# Altium PCB ESC_1.PcbDoc (part 1 of 2) (continued)
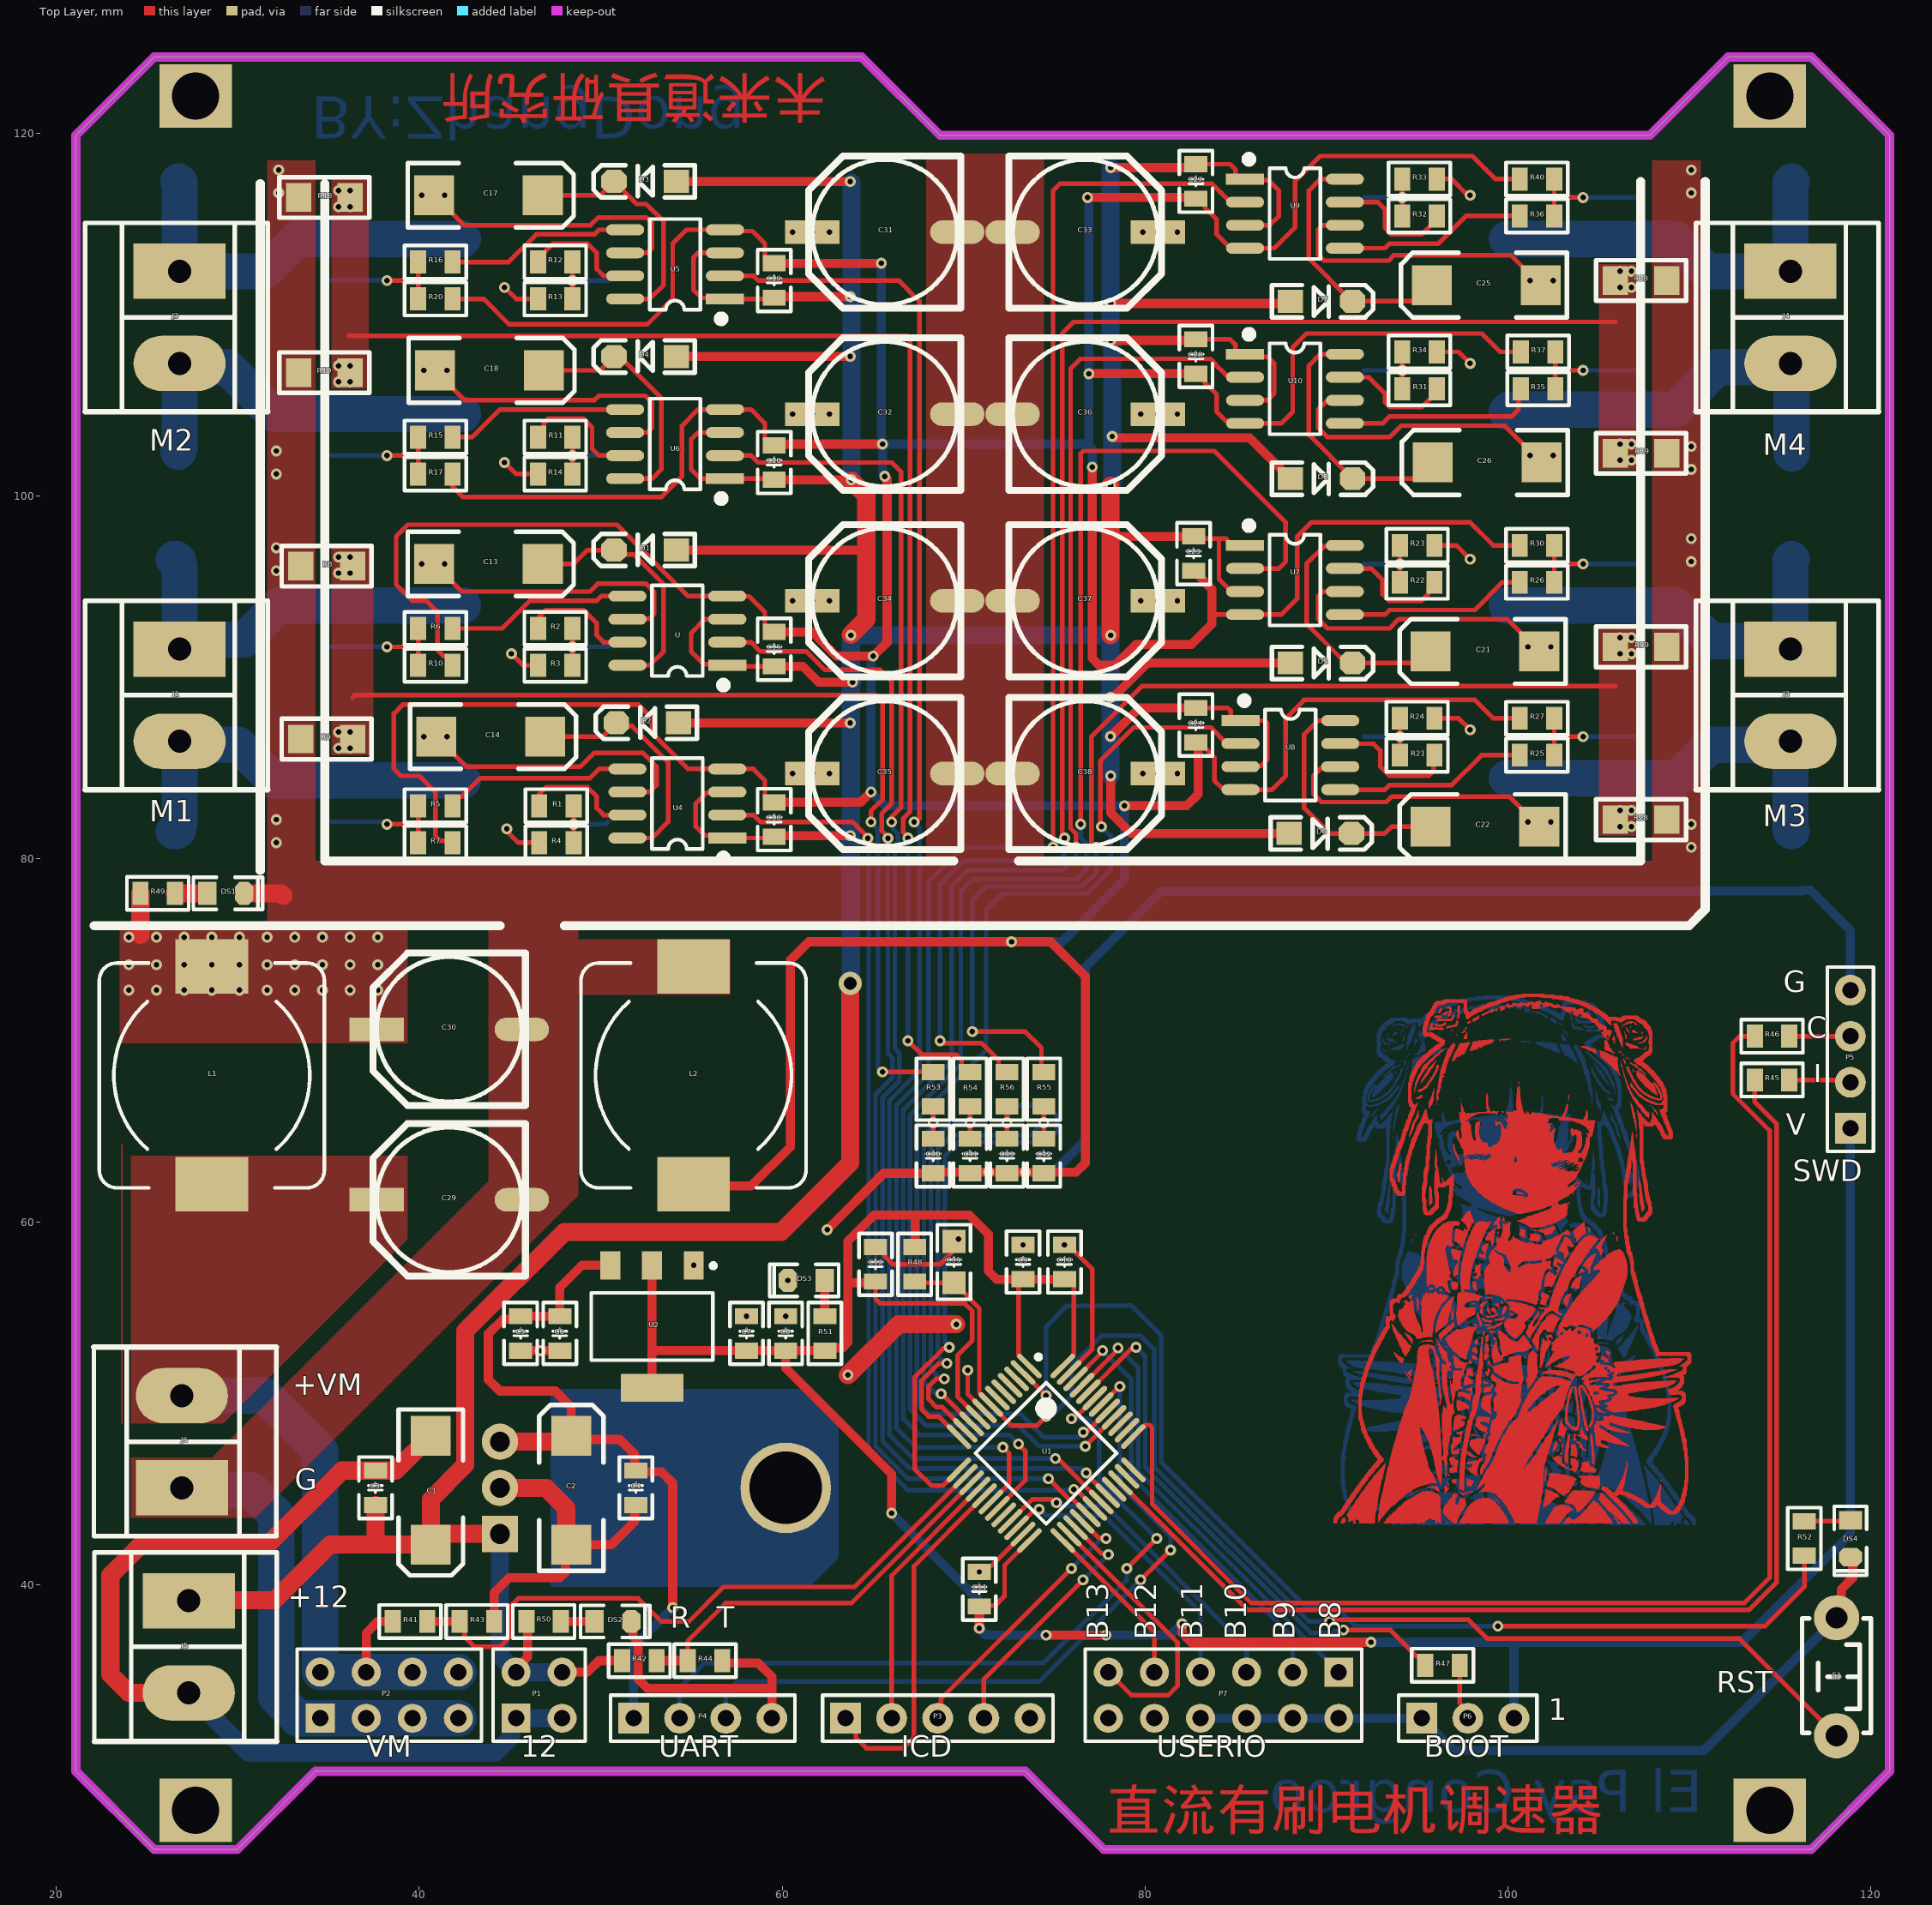
[diagram p0: Top Layer view]
## Footprints (in the part's own frame and the unit in brackets; to place one, negate y for a bottom-side part, rotate by r counter-clockwise, add the part's x,y. Pads: shape width x height; smd on the part's side, far side on the other; paste and mask are expansions set on the pad)
"C 0805_L" [mil] "无极性贴片电容"
  rect 35x50 smd: 1(-37.4,0) 2(37.4,0)
  silkscreen extent -67,-36 67,36, body extent -39,-24 39,24, height 20
"C 0805_M" [mil] "无极性贴片电容"
  rect 50x50 smd: 1(-45,0) 2(45,0)
  silkscreen extent -81,-36 81,36, body extent -39,-24 39,24, height 20
"CD C(6032)" [mm] "长6.0mm，宽3.2mm，厚2.5mm"
  rect 2.2x2.2 smd: 1(-3,0) 2(3,0)
  silkscreen extent -4.7,-1.78 4.44,1.78, body extent -3,-1.6 3,1.6, height 2.5
"CM E(8*10.2)" [mm] "贴片电解电容，直径8mm，高10.2mm"
  rect 3x1.3 smd: 1(4,0)
  oval 3x1.3 smd: 2(-4,0)
  silkscreen extent -4.2,-4.2 4.2,4.2, body extent -4.5,-4.15 4.5,4.15, height 10.2
DG1282-5.0 [mil]
  rect 120x200 hole 50: 1(-100,0)
  oval 120x200 hole 50: 2(100,0)
  silkscreen extent -205,-205 205,191, body extent -200,-160 200,160, height 315
HDR2.54-LI-2x2P [mm] "双排排针，2x2脚"
  rect 1.6x1.6 hole 0.9: 1(-1.27,-1.27)
  round 1.6 hole 0.9: 2(-1.27,1.27) 3(1.27,-1.27) 4(1.27,1.27)
  silkscreen extent -2.54,-2.54 2.54,2.54, body extent -2.54,-2.54 2.54,2.54, height 8.5
HDR2.54-LI-2x4P [mm] "双排排针，4x2脚"
  rect 1.6x1.6 hole 0.9: 1(-3.81,-1.27)
  round 1.6 hole 0.9: 2(-3.81,1.27) 3(-1.27,-1.27) 4(-1.27,1.27) 5(1.27,-1.27) 6(1.27,1.27) 7(3.81,-1.27) 8(3.81,1.27)
  silkscreen extent -5.08,-2.54 5.08,2.54, body extent -5.08,-2.54 5.08,2.54, height 8.5
HDR2.54-LI-2x6P [mm] "双排排针，6x2脚"
  rect 1.6x1.6 hole 0.9: 1(-6.35,-1.27)
  round 1.6 hole 0.9: 2(-6.35,1.27) 3(-3.81,-1.27) 4(-3.81,1.27) 5(-1.27,-1.27) 6(-1.27,1.27) 7(1.27,-1.27) 8(1.27,1.27) 9(3.81,-1.27) 10(3.81,1.27) 11(6.35,-1.27) 12(6.35,1.27)
  silkscreen extent -7.62,-2.54 7.62,2.54, body extent -7.62,-2.54 7.62,2.54, height 8.5
HDR2.54-LI-3P [mm] "排针，3脚"
  rect 1.7x1.7 hole 0.9: 1(-2.54,0)
  round 1.7 hole 0.9: 2(0,0) 3(2.54,0)
  silkscreen extent -3.81,-1.27 3.81,1.27, body extent -3.81,-1.27 3.81,1.27, height 8.5
HDR2.54-LI-4P [mm] "排针，4脚"
  rect 1.7x1.7 hole 0.9: 1(-3.81,0)
  round 1.7 hole 0.9: 2(-1.27,0) 3(1.27,0) 4(3.81,0)
  silkscreen extent -5.08,-1.27 5.08,1.27, body extent -5.08,-1.27 5.08,1.27, height 8.5
HDR2.54-LI-5P [mm] "排针，5脚"
  rect 1.7x1.7 hole 0.9: 1(-5.08,0)
  round 1.7 hole 0.9: 2(-2.54,0) 3(0,0) 4(2.54,0) 5(5.08,0)
  silkscreen extent -6.35,-1.27 6.35,1.27, body extent -6.35,-1.27 6.35,1.27, height 8.5
L-SMD-12 [mm] "贴片电感12*12"
  rect 3x4 smd: 1(-6,0) 2(6,0)
  silkscreen extent -6.2,-6.2 6.2,6.2, body extent -6.2,-6.22 6.2,6.17, height 2.5
"LED 0805B" [mil] "蓝色0805LED"
  rect 40x50 smd: 1(-40,0)
  oct 40x50 smd: 2(40,0)
  silkscreen extent -70,-35 80,35, body extent -39,-25 39,25, height 32
"R 0805_L" [mil] "1/8W贴片电阻"
  rect 35x50 smd: 1(-37.4,0) 2(37.4,0)
  silkscreen extent -67,-36 67,36, body extent -39,-25 39,25, height 20
"R 1206_L" [mil] "1/4W贴片电阻"
  rect 55x62 smd: 1(-55.12,0) 2(57.09,0)
  silkscreen extent -96,-44 98,44, body extent -63,-31 63,32, height 22
SMB [mm] "4.7*3.9*2.2mm(长宽高，不包括引脚）"
  rect 2.5x2.2 smd: 1(-2.35,0) 2(2.35,0)
  silkscreen extent -2.8,-1.9 3.57,1.9, body extent -2.63,-1.8 2.67,1.8, height 2.35
SOD-123 [mil] "2.7x1.6X1.1mm（长宽高，不包括引脚）"
  rect 55x50 smd: 1(-67.5,0)
  oct 55x50 smd: 2(67.5,0)
  silkscreen extent -108,-35 112,35, body extent -73,-31 73,31, height 48
SOP8_M [mm] "5*6*1.8mm（长宽高）"
  rect 2.1x0.6 smd: 1(-2.75,1.905)
  oval 2.1x0.6 smd: 2(-2.75,0.635) 3(-2.75,-0.635) 4(-2.75,-1.905) 5(2.75,-1.905) 6(2.75,-0.635) 7(2.75,0.635) 8(2.75,1.905)
  silkscreen extent -2.69,-2.5 1.4,3.15, body extent -3,-2.5 3,2.5, height 1.9
SOT-223 [mm]
  rect 1.1x1.55 smd: 1(-2.3,-3.375) 2(0,-3.375) 3(2.3,-3.375)
  rect 3.45x1.55 smd: 4(0,3.375)
  silkscreen extent -3.5,-3.48 3.35,1.85, body extent -3.3,-3.94 3.3,3.43, height 0.8
STM-LQFP48_N [mm] "QFP, 48-Leads, Body 7x7mm, Pitch 0.5mm, IPC Medium Density"
  oval 1.8x0.3 smd: 1(-4.05,2.75) 2(-4.05,2.25) 3(-4.05,1.75) 4(-4.05,1.25) 5(-4.05,0.75) 6(-4.05,0.25) 7(-4.05,-0.25) 8(-4.05,-0.75) 9(-4.05,-1.25) 10(-4.05,-1.75) 11(-4.05,-2.25) 12(-4.05,-2.75) 25(4.05,-2.75) 26(4.05,-2.25) 27(4.05,-1.75) 28(4.05,-1.25) 29(4.05,-0.75) 30(4.05,-0.25) 31(4.05,0.25) 32(4.05,0.75) 33(4.05,1.25) 34(4.05,1.75) 35(4.05,2.25) 36(4.05,2.75)
  oval 0.3x1.8 smd: 13(-2.75,-4.05) 14(-2.25,-4.05) 15(-1.75,-4.05) 16(-1.25,-4.05) 17(-0.75,-4.05) 18(-0.25,-4.05) 19(0.25,-4.05) 20(0.75,-4.05) 21(1.25,-4.05) 22(1.75,-4.05) 23(2.25,-4.05) 24(2.75,-4.05) 37(2.75,4.05) 38(2.25,4.05) 39(1.75,4.05) 40(1.25,4.05) 41(0.75,4.05) 42(0.25,4.05) 43(-0.25,4.05) 44(-0.75,4.05) 45(-1.25,4.05) 46(-1.75,4.05) 47(-2.25,4.05) 48(-2.75,4.05)
  silkscreen extent -4.17,-2.75 2.75,3.57, body extent -3.5,-3.5 3.5,3.5, height 1.6
TO220B [mm] "220，3脚晶体管"
  round 5 hole 4: 0(0,15.748)
  rect 2x2 hole 1.1: 1(-2.54,0)
  round 2 hole 1.1: 2(0,0) 3(2.54,0)
  Top Layer region: -5.334,17.018 5.334,17.018 5.334,2.921 -5.334,2.921
  Top Layer region: -3.81,18.542 4.064,18.542 4.064,16.891 -3.81,16.891
  Top Layer region: 4.064,17.78 4.699,17.78 4.699,16.891 4.064,16.891
  Top Layer region: -4.572,17.653 -3.81,17.653 -3.81,16.891 -4.572,16.891
  Top Layer region: -4.318,18.034 -3.81,18.034 -3.81,17.653 -4.318,17.653
  Top Layer region: -4.826,17.526 -4.572,17.526 -4.572,17.018 -4.826,17.018
  Top Layer region: 4.445,17.335 5.143,17.335 5.143,16.891 4.445,16.891
  Top Layer region: 3.81,18.034 4.445,18.034 4.445,17.526 3.81,17.526
  Top Layer lines w0.254: -5.207,16.891 -3.81,18.288 ; -4.826,17.018 -3.81,18.034 ; 4.699,17.526 5.334,17.018 4.826,17.272 3.937,18.288 ; -5.334,2.921 -5.334,16.637 -5.334,17.018 -4.826,17.526 -3.81,18.542 3.429,18.542 3.937,18.542 4.953,17.526 5.334,17.145 5.334,3.429 5.334,2.921 -5.08,2.921 -5.334,2.921
  silkscreen extent -5.59,0.69 5.59,18.8, body extent -5.15,-0.25 5.15,18.5, height 4.43
TO252 [mil] "252晶体管"
  rect 60x115 smd: 1(-89.55,-119.77)
  rect 230x245 smd: 2(0,165.35)
  rect 60x110 smd: 3(88.45,-120.77)
  silkscreen extent -196,-140 135,28, body extent -127,-120 129,251, height 91
"TSW DIP-3*6*4.3" [mm] "3*6*4.3mm"
  round 2.5 hole 1.2: 1(3.25,0) 2(-3.25,0)
  silkscreen extent -3.21,-1.9 3.09,1.9, body extent -3.91,-1.75 3.91,1.75, height 4.31
"五更琉璃白猫 SL" [mm]
  Top Layer drawing of 14833 lines, arcs and shapes, not listed

## Part data
C39: library part CAP
D1 D2 D3 D4 D5 D6 D7 D8: "High Conductance Fast Diode", Code_JEDEC=DO-204-AH, ComponentLink1Description="Manufacturer Link", ComponentLink1URL=http://www.fairchildsemi.com/, ComponentLink2Description=Datasheet, ComponentLink2URL=http://www.fairchildsemi.com/ds/1N%2F1N4148.pdf, DatasheetVersion=1997, LatestRevisionDate=17-Jul-2002, LatestRevisionNote="Re-released for DXP Platform.", PackageDescription="Diode, Axial; Body 3.8 x 1.9 mm (LxDia. max), Lead Dia. 0.53 mm (max)", PackageReference=DO-35, Published=8-Jun-2000, Publisher="Altium Limited"
D9 D10 D11 D12 D13 D14 D15 D16: library part D, "High Conductance Fast Diode", Code_JEDEC=DO-204-AH, ComponentLink1Description="Manufacturer Link", ComponentLink1URL=http://www.fairchildsemi.com/, ComponentLink2Description=Datasheet, ComponentLink2URL=http://www.fairchildsemi.com/ds/1N%2F1N4148.pdf, DatasheetVersion=1997, LatestRevisionDate=17-Jul-2002, LatestRevisionNote="Re-released for DXP Platform.", PackageDescription="Diode, Axial; Body 3.8 x 1.9 mm (LxDia. max), Lead Dia. 0.53 mm (max)", PackageReference=DO-35, Published=8-Jun-2000, Publisher="Altium Limited"
J1 J2 J3 J4 J5 J6: library part CON2
L1 L2: "电感", Code_IEC=1005, Code_JEITA=0402, LatestRevisionDate=17-Jul-2002, LatestRevisionNote="Re-released for DXP Platform.", PackageReference=0402-A, Published=8-Jun-2000, Publisher="Altium Limited"
P1: "Header, 2-Pin, Dual row", LatestRevisionDate=17-Jul-2002, LatestRevisionNote="Re-released for DXP Platform.", Publisher="Altium Limited"
P2: "Header, 4-Pin, Dual row", LatestRevisionDate=17-Jul-2002, LatestRevisionNote="Re-released for DXP Platform.", Publisher="Altium Limited"
P3: library part "Header 5", "Header, 5-Pin", LatestRevisionDate=17-Jul-2002, LatestRevisionNote="Re-released for DXP Platform.", Publisher="Altium Limited"
P4: library part "Header 4", "Header, 4-Pin", LatestRevisionDate=17-Jul-2002, LatestRevisionNote="Re-released for DXP Platform.", Publisher="Altium Limited"
P5: "Header, 4-Pin", LatestRevisionDate=17-Jul-2002, LatestRevisionNote="Re-released for DXP Platform.", Publisher="Altium Limited"
P6: "Header, 3-Pin", LatestRevisionDate=17-Jul-2002, LatestRevisionNote="Re-released for DXP Platform.", Publisher="Altium Limited"
P7: "Header, 6-Pin, Dual row", LatestRevisionDate=17-Jul-2002, LatestRevisionNote="Re-released for DXP Platform.", Publisher="Altium Limited"
R1 R2 R3 R4 R5 R6 R7 R8 R9 R10 R11 R12 R13 R14 R15 R16 R17 R18 R19 R20 R21 R22 R23 R24 R25 R26 R27 R28 R29 R30 R31 R32 R33 R34 R35 R36 R37 R38 R39 R40 R41 R42 R43 R44 R45 R46 R47 R48 R53 R54 R55 R56: library part RES2, "Resistor", LatestRevisionDate=17-Jul-2002, LatestRevisionNote="Re-released for DXP Platform.", PackageDescription="Axial Device, Thru-Hole; 2 Leads; 0.3 in Pin Spacing", PackageReference=AXIAL-0.3, Published=8-Jun-2000, Publisher="Altium Limited"
R49 R50 R51 R52: "Resistor", LatestRevisionDate=17-Jul-2002, LatestRevisionNote="Re-released for DXP Platform.", PackageDescription="Axial Device, Thru-Hole; 2 Leads; 0.3 in Pin Spacing", PackageReference=AXIAL-0.3, Published=8-Jun-2000, Publisher="Altium Limited"
U1: "ARM Cortex-M0 32-bit MCU, 64 KB Flash, 8 KB Internal RAM, 39 I/Os, 48-pin LQFP, -40 to 85 degC, Tray", I/Os (High Current)=39, Operating Frequency(F) (Processor speed) (MHz)=48, Supplier Part Number 1=497-14043-ND, Supply Voltage(Vcc) min (V)=2.4, ComponentLink1Description="Manufacturer URL", ComponentLink1URL=http://www.st.com/web/en/home.html, ComponentLink2Description=Datasheet, ComponentLink2URL=http://www.st.com/st-web-ui/static/active/en/resource/technical/document/datasheet/DM00088500.pdf, ComponentLink3Description="Package Specification", ComponentLink3URL=http://www.st.com/st-web-ui/static/active/en/resource/technical/document/datasheet/DM00058181.pdf, Core="ARM Cortex-M0", DatasheetVersion="Rev. 1", FLASH Size (Prog) (kB)=64, Internal RAM Size (kB)=8, Mounting Technology="Surface Mount", PackageDescription="48-Pin Low Profile Quad Flat Package, 7 x 7 mm Body, 0.5 mm Pitch", PackageReference=LQFP48, PackageVersion="Rev. 6, 06/2013", Packing=Tray, PartNumber=STM32F030C8T6, Supplier 1=Digi-Key, Supplier 2=Newark, Supplier 3=Mouser, Supplier Part Number 2=06X3647, Supplier Part Number 3=511-STM32F030C8T6
U2: "3.3V稳压芯片"
S1: LatestRevisionDate=17-Jul-2002, LatestRevisionNote="Re-released for DXP Platform.", Published=24-Mar-1999, Publisher="Altium Limited"

## Free pads (board coordinates)
  rect 4x3.5 hole 2.6: 0(27.686,27.559) 0(27.686,122.047) 0(114.427,27.559) 0(114.427,122.047)

## Via types
v1: diameter 0.6, hole 0.3, Top Layer to Bottom Layer, tented both sides, 235 vias
v2: diameter 0.6, hole 0.3, Top Layer to Bottom Layer, 8 vias
v3: diameter 1.27, hole 0.711, Top Layer to Bottom Layer, tented both sides, 1 vias

## Nets (pads, with @x,y where several pads share a name; then routed paths per layer and width w, separated by ;. In a path a pad name is that pad's centre, name@x,y a point inside that pad or via, vN(x,y) a via of type N, cw(c..) or ccw(c..) an arc to the next point about the centre after c; other vN are vias at no path point)
AIN0: C40.1 R53.1 U1.10 | length 19.9
  Top Layer w0.254: C40.1@68.326,64.577 v1(68.326,65.468) R53.1@68.326,66.36 ; v1(68.768,50.515) 68.803,50.515 U1.10@70.448,48.87
  Bottom Layer w0.254: v1(68.326,65.468) 68.26,65.402 68.26,65.212 67.818,64.77 67.818,51.181 68.484,50.515 v1(68.768,50.515)
AIN1: C41.1 R54.1 U1.11 | length 22.3
  Top Layer w0.254: v1(68.936,51.345) 68.932,51.341 68.486,51.341 68.072,50.927 68.072,50.225 68.513,49.784 68.827,49.784 U1.11@70.094,48.517 ; C41.1@70.358,64.577 v1(70.358,65.468) R54.1@70.358,66.36
  Bottom Layer w0.254: v1(68.936,51.345) 68.738,51.345 68.199,51.884 68.199,64.389 69.278,65.468 v1(70.358,65.468)
AIN2: C42.1 R55.1 U1.12 | length 26.4
  Top Layer w0.254: v1(69.088,52.197) 68.621,52.197 67.691,51.267 67.691,49.657 68.072,49.276 68.628,49.276 U1.12@69.741,48.163 ; C42.1@74.422,64.577 v1(74.422,65.468) R55.1@74.422,66.36
  Bottom Layer w0.254: v1(69.088,52.197) 69.088,52.187 69.029,52.129 68.58,52.578 68.58,64.008 69.342,64.77 73.724,64.77 v1(74.422,65.468)
AIN3: C43.1 R56.1 U1.13 | length 34.4
  Top Layer w0.254: v1(69.215,53.086) 69.149,53.02 68.895,53.02 67.31,51.435 67.31,46.379 68.223,45.466 68.882,45.466 U1.13@69.741,46.325 ; C43.1@72.39,64.577 v1(72.39,65.468) R56.1@72.39,66.36
  Bottom Layer w0.254: v1(69.215,53.086) 69.215,53.154 68.961,53.408 68.961,63.627 69.723,64.389 74.549,64.389 75.184,65.024 75.184,65.786 74.549,66.421 73.025,66.421 72.456,65.852 72.456,65.535 v1(72.39,65.468)
AIN4: R41.2 R43.1 U1.14 | length 36.5
  Top Layer w0.254: R43.1@42.23,37.973 42.498,37.705 42.498,37.131 43.053,36.576 44.45,36.576 44.958,37.084 44.958,38.735 45.466,39.243 52.07,39.243 53.34,37.973 54.864,37.973 56.769,39.878 64.001,39.878 U1.14@70.094,45.971
  Top Layer w0.5: R41.2@40.447,37.973 R43.1@42.23,37.973
AIN5: R42.2 R44.1 U1.15 | length 22.1
  Top Layer w0.254: R44.1@54.803,35.814 54.803,36.896 56.896,38.989 63.819,38.989 U1.15@70.448,45.618
  Top Layer w0.5: R42.2@53.086,35.814 R44.1@54.803,35.814
BOOT0: R47.2 U1.44 | length 30.7
  Top Layer w0.254: U1.44@76.882,50.638 79.264,53.02 79.436,53.02 v1(79.502,53.086) ; v1(90.932,37.507) 93.496,37.507 94.935,36.068 95.126,36.068 95.443,35.751 R47.2@95.443,35.56
  Bottom Layer w0.254: v1(79.502,53.086) 80.01,52.578 80.01,46.482 80.137,46.355 80.137,46.324 89.123,37.338 90.318,37.338 90.421,37.441 90.866,37.441 v1(90.932,37.507)
FB1: Q3.3 Q4.3 R8.1 R9.2 R53.2 | length 53.1
  Top Layer w0.254: 36.325,88.9 36.452,89.027 65.151,89.027 65.532,88.646 65.532,83.268 64.897,82.633 v1(64.897,82.042) ; v1(65.532,68.267) 65.539,68.26 R53.2@68.326,68.26
  Bottom Layer w0.254: v1(64.897,82.042) 65.278,81.661 65.278,68.521 v1(65.532,68.267)
  other v1: 35.56,86.106 36.195,86.106 35.56,86.995 36.195,86.995 35.56,95.758 36.195,95.758 35.56,96.647 36.195,96.647
FB2: Q7.3 Q8.3 R18.1 R19.2 R54.2 | length 74.3
  Top Layer w0.254: 36.155,108.839 66.907,108.839 67.056,108.69 67.056,82.624 66.675,82.243 66.675,81.475 66.94,81.21 v1(66.94,81.153) ; v1(66.929,69.977) 67.691,69.215 69.596,69.215 69.899,68.912 69.899,68.577 70.217,68.26 R54.2@70.358,68.26
  Bottom Layer w0.254: v1(66.929,69.977) 66.94,69.988 v1(66.94,81.153)
  other v1: 35.56,106.299 36.195,106.299 35.56,107.188 36.195,107.188 35.56,115.951 36.195,115.951 35.56,116.84 36.195,116.84
FB3: Q11.3 Q12.3 R28.1 R29.2 R55.2 | length 57.9
  Top Layer w0.254: v1(70.485,70.485) 73.406,70.485 74.295,69.596 74.295,68.387 R55.2@74.422,68.26 ; v1(77.308,80.645) 77.216,80.645 77.043,80.818 77.043,86.741 79.837,89.535 105.915,89.535
  Bottom Layer w0.254: v1(70.485,70.485) 70.485,77.724 71.247,78.486 76.546,78.486 77.308,79.248 v1(77.308,80.645)
  other v1: 106.172,81.788 106.807,81.788 106.172,82.677 106.807,82.677 106.172,91.313 106.807,91.313 106.172,92.202 106.807,92.202
FB4: Q15.3 Q16.3 R38.1 R39.2 R56.2 | length 80.3
  Top Layer w0.254: v1(68.707,69.977) 68.834,69.85 70.993,69.85 71.931,68.912 71.931,68.577 72.249,68.26 R56.2@72.39,68.26 ; v1(75.565,81.153) 75.438,81.28 75.438,108.966 76.073,109.601 105.915,109.601
  Bottom Layer w0.254: v1(68.707,69.977) 68.707,78.613 69.977,79.883 75.184,79.883 75.565,80.264 v1(75.565,81.153)
  other v1: 106.172,101.981 106.807,101.981 106.172,102.87 106.807,102.87 106.172,111.506 106.807,111.506 106.172,112.395 106.807,112.395
GND: C1.2 C2.2 C3.2 C4.2 C5.2 C6.2 C7.2 C8.2 C9.2 C10.2 C11.2 C12.2 C15.2 C16.2 C19.2 C20.2 C23.2 C24.2 C27.2 C28.2 C39.1 C40.2 C41.2 C42.2 C43.2 DS2.2 DS3.2 DS4.2 J5.2 L2.2 P1.1 P1.3 P3.5 P4.4 P5.4 P6.1 P7.2 P7.4 P7.6 P7.8 P7.10 P7.12 R7.1 R10.1 R17.1 R20.1 R27.1 R30.1 R37.1 R40.1 R43.2 R44.2 S1.2 U1.8 U1.23 U1.47 U2.1 U3.2 U4.4 U5.4 U6.4 U7.4 U8.4 U9.4 U10.4 U.4 | length 636.8
  Top Layer w0.254: R7.1@41.844,80.899 41.737,81.007 41.167,81.007 40.894,81.28 40.894,83.693 40.005,84.582 38.989,84.582 38.608,84.963 38.608,88.011 39.116,88.519 52.07,88.519 52.832,87.757 52.832,86.951 54.82,84.963 U4.4@56.979,84.963 58.42,84.963 59.055,84.328 59.055,83.436 59.373,83.119 C16.2@59.563,83.119 ; R10.1@41.844,90.678 41.844,90.869 41.527,91.186 41.336,91.186 41.021,91.501 41.021,91.915 41.019,91.917 41.019,93.601 40.386,94.234 39.624,94.234 38.735,95.123 38.735,97.79 39.37,98.425 50.896,98.425 54.833,94.488 U.4@56.979,94.488 56.988,94.479 58.175,94.479 59.055,93.599 59.055,92.834 59.373,92.517 C15.2@59.563,92.517 ; R17.1@41.844,101.41 R17.1@41.844,101.219 41.844,100.523 42.418,99.949 53.34,99.949 54.483,101.092 54.483,103.886 55.372,104.775 U6.4@56.852,104.775 58.293,104.775 59.055,104.013 59.055,103.121 59.373,102.804 C20.2@59.563,102.804 ; R20.1@41.844,110.871 43.561,110.871 44.958,109.474 52.578,109.474 53.975,110.871 53.975,113.919 54.737,114.681 U5.4@56.852,114.681 56.918,114.615 58.359,114.615 59.055,113.919 59.055,113.154 59.373,112.837 C19.2@59.563,112.837 ; C12.2@65.151,58.608 65.342,58.608 65.659,58.29 65.659,58.1 66.101,57.658 68.707,57.658 69.723,58.674 v1(69.723,59.055) ; v1(70.231,51.816) 70.231,50.501 U1.8@71.155,49.577 ; v1(70.866,40.701) 71.184,41.018 71.505,41.018 U1.23@73.276,42.789 ; v1(75.565,58.735) 75.883,58.417 76.076,58.417 77.089,57.404 77.089,52.966 U1.47@75.822,51.699 ; C24.2@82.804,86.426 82.994,86.426 83.312,86.109 83.312,86.106 83.82,85.598 83.82,84.328 84.262,83.886 85.195,83.886 U8.4@85.261,83.82 86.995,83.82 87.757,84.582 87.757,87.757 88.773,88.773 98.171,88.773 99.187,87.757 R27.1@100.65,87.757 ; C28.2@82.804,106.746 82.994,106.746 83.312,106.429 83.312,106.238 83.947,105.603 83.947,104.648 84.446,104.149 84.535,104.149 84.671,104.013 U10.4@85.515,104.013 87.503,104.013 88.138,104.648 88.138,108.204 88.9,108.966 98.552,108.966 99.568,107.95 R37.1@100.716,107.95 ; C27.2@82.804,116.398 82.994,116.398 83.312,116.081 83.312,115.89 83.947,115.255 83.947,114.427 84.709,113.665 U9.4@85.515,113.665 87.122,113.665 88.265,114.808 88.265,117.348 89.662,118.745 98.044,118.745 99.314,117.475 R40.1@100.65,117.475 ; 83.693,93.535 83.747,93.481 85.506,93.481 U7.4@85.515,93.472 87.503,93.472 88.392,94.361 88.392,97.79 89.154,98.552 97.917,98.552 99.187,97.282 R30.1@100.65,97.282
  Top Layer w0.5: R43.2@44.13,37.973 44.13,39.558 44.958,40.386 47.752,40.386 48.045,40.679 48.045,42.438 C2.2@48.103,42.496 ; C5.2@45.593,52.898 v1(46.672,52.898) C6.2@47.752,52.898 ; C2.2@48.387,42.212 50.594,42.212 51.869,43.487 51.869,44.316 C4.2@51.943,44.389 ; DS2.2@51.689,37.973 51.783,37.879 51.783,37.117 52.07,36.83 52.07,34.798 52.578,34.29 59.436,34.29 ; L2.2@55.118,62.072 55.214,61.976 58.293,61.976 60.452,64.135 60.452,74.422 61.468,75.438 v1(72.644,75.438) 74.803,75.438 76.708,73.533 76.708,63.246 76.2,62.738 68.387,62.738 C40.2@68.326,62.677 65.598,62.677 v1(62.484,59.563) ; R44.2@56.703,35.814 56.83,35.687 58.674,35.687 59.436,34.925 59.436,34.29 ; P4.4@59.436,32.639 59.436,34.29 ; C16.2@59.563,83.119 64.323,83.119 v1(64.897,83.693) ; C15.2@59.563,92.517 61.661,92.517 62.992,91.186 v1(65.024,91.186) 65.786,91.948 65.786,100.965 v1(65.659,101.092) ; C20.2@59.563,102.804 59.629,102.87 v1(65.532,102.87) ; C19.2@59.563,112.837 v1(65.471,112.837) ; v1(76.835,116.459) 82.743,116.459 C27.2@82.804,116.398 ; v1(76.901,106.746) C28.2@82.804,106.746 ; v1(77.089,101.6) 77.089,91.059 77.47,90.678 78.359,90.678 79.502,91.821 82.55,91.821 83.693,92.964 83.693,93.535 83.693,94.869 83.062,95.5 83.062,95.69 82.867,95.885 C23.2@82.677,95.885 ; v1(78.867,82.931) 82.296,82.931 82.931,83.566 82.931,86.299 C24.2@82.804,86.426 ; S1.2@118.11,38.175 118.363,38.428 118.363,39.75 118.999,40.386 118.999,41.402 DS4.2@118.872,41.529
  Top Layer w1: J5.2@27.119,34.222 J5.2@27.305,34.036 24.003,34.036 22.987,35.052 22.987,40.513 24.638,42.164 31.623,42.164 35.748,46.289 C3.2@37.592,46.289 38.717,46.289 C1.2@40.64,48.212 C1.2@41.24,47.612 ; U3.2@44.45,45.339 46.99,45.339 48.103,44.226 48.103,42.496 C2.2@48.387,42.212 ; v1(63.627,51.562) 66.421,54.356 v1(69.596,54.356)
  Bottom Layer w0.5: v1(65.024,91.186) 65.024,91.159 64.897,91.032 v1(64.897,83.693) 65.659,82.931 v1(78.867,82.931) 78.867,78.867 75.438,75.438 v1(72.644,75.438) ; v1(65.471,112.837) 65.471,102.958 65.532,102.897 v1(65.532,102.87) ; v1(65.659,101.092) 65.659,101.119 65.532,101.246 v1(65.532,102.87) ; 75.057,62.865 76.708,64.516 76.708,74.041 80.899,78.232 116.205,78.232 116.252,78.279 116.666,78.279 118.872,76.073 P5.4@118.872,72.771 ; v1(76.835,116.459) 76.835,116.432 76.901,116.366 v1(76.901,106.746) 76.901,102.936 76.835,102.87 ; v1(77.089,101.6) 77.089,102.616 76.835,102.87 ; P7.8@83.058,32.639 P7.6@85.598,32.639 P7.4@88.138,32.639 P6.1@95.25,32.639 97.028,30.861 110.796,30.861 S1.2@118.11,38.175 ; v1(65.532,102.87) 76.835,102.87
  Bottom Layer w1: J5.2@27.305,34.036 27.767,34.036 28.713,33.09 28.713,32.628 30.607,30.734 44.196,30.734 45.039,31.577 45.039,32.339 P1.1@45.339,32.639 P1.3@47.879,32.639
  other v1: 58.039,54.798 60.198,54.798 60.325,56.769 55.132,57.604 73.279,58.735 71.374,62.738 73.406,62.738
GND_M: C29.2 C30.2 C31.2 C32.2 C33.2 C34.2 C35.2 C36.2 C37.2 C38.2 D9.1 D10.1 D11.1 D12.1 D13.1 D14.1 D15.1 D16.1 DS1.2 J6.1 L2.1 P2.1 P2.3 P2.5 P2.7 R8.2 R9.1 R18.2 R19.1 R28.2 R29.1 R38.2 R39.1 | length 28.6
  Top Layer w1: DS1.2@30.353,78.105 32.385,78.105 32.512,77.978
  Bottom Layer w2: J6.1@26.924,45.339 27.051,45.212 30.734,45.212 32.131,43.815 32.131,33.811 33.303,32.639 P2.1@34.544,32.639 P2.5@39.624,32.639 P2.7@42.164,32.639
  other v1: 110.109,80.645 32.131,80.899 110.109,81.915 32.131,82.169 32.131,95.885 110.109,96.393 32.131,97.155 110.109,97.663 32.131,101.219 110.109,101.473 32.131,102.489 110.109,102.743 32.258,116.713 110.109,116.713 32.258,117.983 110.109,117.983
ICD1: P3.1 U1.17 | length 19.9
  Top Layer w0.254: P3.1@63.5,32.639 64.074,32.065 64.074,31.557 64.643,30.988 66.675,30.988 67.264,31.577 67.264,41.02 U1.17@71.155,44.911
ICD2: P3.2 U1.16 | length 14.6
  Top Layer w0.254: P3.2@66.04,32.639 66.04,40.503 U1.16@70.801,45.264
ICD3: P3.3 U1.28 | length 15.6
  Top Layer w0.254: P3.3@68.58,32.639 68.752,32.811 68.752,33.7 v1(75.946,40.894) ; U1.28@76.529,43.496 77.438,42.587 77.809,42.587 v1(77.851,42.545)
  Bottom Layer w0.254: v1(75.946,40.894) 77.597,42.545 v1(77.851,42.545)
ICD4: P3.4 U1.27 | length 14.3
  Top Layer w0.254: P3.4@71.12,32.639 71.12,34.798 v1(76.581,40.259) ; U1.27@76.175,43.143 77.596,41.722 77.912,41.722 v1(77.978,41.656)
  Bottom Layer w0.254: v1(76.581,40.259) v1(77.978,41.656)
LED1: R52.2 U1.2 | length 61.9
  Top Layer w0.254: U1.2@73.276,51.699 73.276,51.692 v1(74.549,50.419) ; v1(99.441,37.719) 114.173,37.719 116.332,39.878 R52.2@116.332,41.595
  Bottom Layer w0.254: v1(74.549,50.419) 74.549,54.229 75.692,55.372 78.994,55.372 79.016,55.394 79.226,55.394 80.899,53.721 80.899,46.736 88.9,38.735 90.551,38.735 91.567,37.719 v1(99.441,37.719)
M1_A: U1.29 U.2 | length 66.3
  Top Layer w0.254: U.2@56.979,91.948 58.293,91.948 58.799,91.442 61.341,91.442 62.359,90.424 65.405,90.424 66.04,89.789 66.04,83.058 65.486,82.504 65.486,81.569 65.815,81.239 65.815,81.162 v1(65.832,81.146) ; v1(74.676,45.847) 75.819,44.704 76.028,44.704 U1.29@76.882,43.85
  Bottom Layer w0.254: v1(65.832,81.146) 65.832,69.296 66.086,69.042 66.086,67.97 65.151,67.035 65.151,47.625 66.929,45.847 v1(74.676,45.847)
M1_B: U1.30 U4.2 | length 55.9
  Top Layer w0.254: U4.2@56.979,82.423 58.42,82.423 58.801,82.042 63.881,82.042 64.724,81.199 v1(64.724,81.146) ; v1(76.073,45.258) 76.139,45.192 76.248,45.192 U1.30@77.236,44.203
  Bottom Layer w0.254: v1(64.724,81.146) 64.77,81.1 64.77,47.371 66.929,45.212 76.027,45.212 v1(76.073,45.258)
M1_HA: C13.2 D10.2 J1.1 Q2.3 Q4.2 R3.2 U.6 | length 39.5
  Top Layer w0.254: C13.2@40.815,96.266 42.339,94.742 49.403,94.742 49.83,95.169 52.511,95.169 52.959,94.721 52.959,93.531 52.665,93.237 51.498,93.237 U.6@51.479,93.218 ; v2(45.085,91.313) 45.72,90.678 R3.2@46.548,90.678
  Bottom Layer w2: D10.2@26.479,96.52 26.629,96.52 26.729,96.42 26.729,96.159 26.797,96.091 J1.1@26.797,91.567 27.321,92.091 30.369,92.091 32.258,93.98 Q4.2@42.418,93.98
  other v1: 40.132,96.266 41.402,96.266
M1_HB: C14.2 D9.2 J1.2 Q1.3 Q3.2 R4.2 U4.6 | length 40.1
  Top Layer w0.254: C14.2@40.942,86.741 42.593,85.09 48.895,85.09 49.657,85.852 52.324,85.852 53.086,85.09 53.086,84.074 52.705,83.693 U4.6@51.479,83.693 ; v2(44.831,81.661) 44.831,81.534 45.466,80.899 R4.2@46.614,80.899
  Bottom Layer w2: D9.2@26.479,81.534 26.629,81.534 26.729,81.634 26.729,81.935 26.797,82.003 J1.2@26.797,86.487 26.98,86.304 30.028,86.304 32.004,84.328 Q3.2@42.418,84.328
  other v1: 40.259,86.741 41.529,86.741
M2_A: U1.31 U5.2 | length 87.6
  Top Layer w0.254: U5.2@56.852,112.141 58.42,112.141 58.674,111.887 66.421,111.887 67.564,110.744 67.564,82.237 67.369,82.042 v1(67.276,82.042) ; 75.35,46.797 U1.31@77.59,44.557
  Bottom Layer w0.254: v1(67.276,82.042) 67.276,82.008 67.564,81.72 67.564,68.326 65.913,66.675 65.913,48.26 67.221,46.952 75.063,46.952 v1(75.066,46.955)
M2_B: U1.32 U6.2 | length 78.1
  Top Layer w0.254: U6.2@56.852,102.235 58.293,102.235 58.674,101.854 66.04,101.854 66.548,101.346 66.548,82.834 66.04,82.326 v1(66.04,82.042) ; v1(76.769,46.162) 76.769,46.085 U1.32@77.943,44.911
  Bottom Layer w0.254: v1(66.04,82.042) 66.106,81.976 66.106,81.655 66.386,81.375 66.386,80.916 66.213,80.743 66.213,69.55 66.467,69.296 66.467,67.781 65.532,66.846 65.532,47.91 67.041,46.401 76.447,46.401 76.686,46.162 v1(76.769,46.162)
M2_HA: C17.2 D12.2 J2.1 Q6.3 Q8.2 R13.2 U5.6 | length 39.4
  Top Layer w0.254: C17.2@40.815,116.586 42.466,114.935 49.447,114.935 49.874,115.362 52.532,115.362 52.832,115.062 52.832,113.665 52.578,113.411 U5.6@51.352,113.411 ; v2(44.704,111.506) 45.339,110.871 R13.2@46.548,110.871
  Bottom Layer w2: D12.2@26.733,117.348 26.797,117.284 J2.1@26.797,112.395 31.496,112.395 33.274,114.173 Q8.2@42.418,114.173
  other v1: 40.132,116.586 41.402,116.586
M2_HB: C18.2 D11.2 J2.2 Q5.3 Q7.2 R14.2 U6.6 | length 39.7
  Top Layer w0.254: C18.2@40.863,106.934 42.514,105.283 49.657,105.283 49.911,105.537 52.451,105.537 52.832,105.156 52.832,103.759 52.578,103.505 U6.6@51.352,103.505 ; v2(44.704,101.854) 45.339,101.219 R14.2@46.548,101.219
  Bottom Layer w2: D11.2@26.729,102.462 26.729,102.612 26.797,102.68 J2.2@26.797,107.315 26.998,107.114 29.411,107.114 32.004,104.521 Q7.2@42.418,104.521
  other v1: 40.259,106.934 41.529,106.934
M3_A: U1.40 U7.2 | length 91.2
  Top Layer w0.254: v1(76.454,81.915) 76.454,102.34 76.603,102.489 83.82,102.489 87.757,98.552 87.757,96.393 87.376,96.012 U7.2@85.515,96.012 U7.2@84.765,96.012 ; v1(76.708,47.625) 78.297,49.214 U1.40@78.297,49.224
  Bottom Layer w0.254: v1(76.454,81.915) 76.454,81.174 76.754,80.874 76.754,79.421 76.2,78.867 70.485,78.867 69.85,78.232 69.85,68.707 67.056,65.913 67.056,49.657 67.945,48.768 73.025,48.768 74.168,47.625 v1(76.708,47.625)